# KiCad board Main.kicad_pcb (continued)
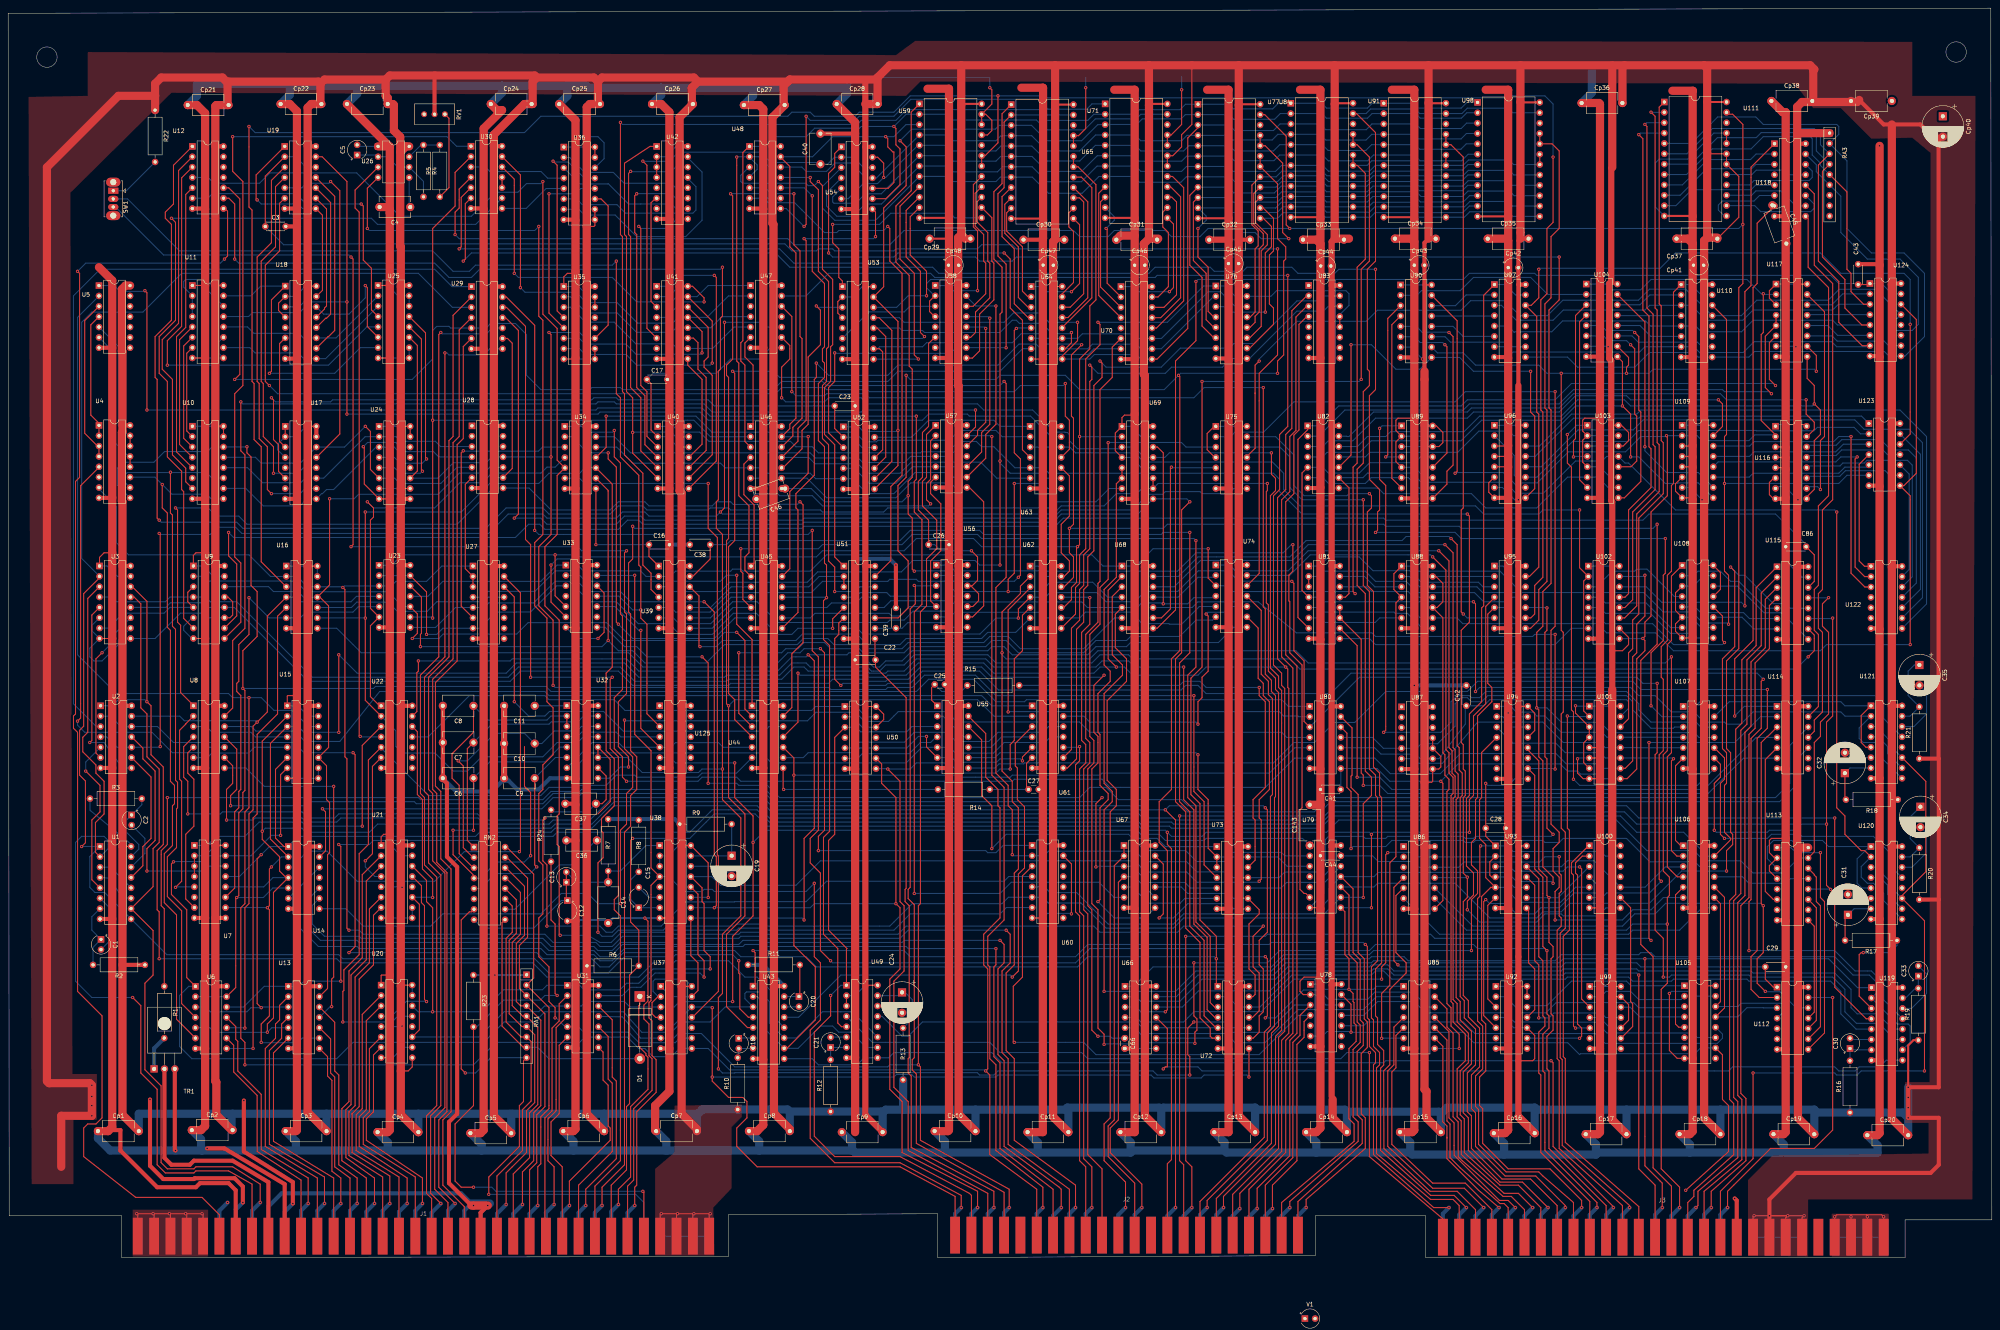
[diagram p0: board, top side]
## Routing (per net, layer and track width the routed paths; a pad name or vN(x,y) marks a point on that pad's centre or on a via; arc(x,y) is an arc through that point)
GNDPWR: length 7795.3
  Top w0.25: 435.5,196 435.34,196.16 U116.4 ; U109.5 412.61,193.84 412.7,193.75 ; U65.20 U65.21 262.24,274.99 264,276.75 v1(264,286.75) ; 253.5,83 253.25,83.25 U60.8 ; U103.5 385.75,194.97 385.75,200.34 U103.2 385.75,202.59 385.75,205.25 386.25,205.75 390,205.75 ; 390,117.25 389.87,117.38 U101.8 385.87,117.38 384.5,118.75 v1(384.5,122.25) ; U113.4 431.5,94.75 431.5,96.07 U113.2 432.8,97.95 431.5,99.25 431.5,102.25 432,102.75 435.5,102.75 ; U20.1 91.38,69.13 91.5,69.25 93.5,69.25 ; U109.4 412.57,196.38 412.7,196.25 ; U9.1 45.38,172.13 46,172.75 48.25,172.75 ; U25.1 93.47,238.28 93.5,238.25 ; v1(144.5,151.75) 146,153.25 146,162.91 U33.12 ; U109.6 408.5,189.67 408.5,187.85 U109.8 412.23,186.22 412.7,185.75 ; U96.5 367.41,193.84 367.5,193.75 ; 435.5,193.25 435.13,193.62 U116.5 ; U21.1 91.38,103.13 92,103.75 93.5,103.75 ; U3.1 22.38,171.63 23.5,172.75 25.5,172.75 ; U64.8 253.25,220.25 253.5,220 ; 412.7,199 412.62,198.92 U109.3 ; 321.5,68.75 317.5,68.75 316.5,67.75 316.5,65.25 317.3,64.45 U78.2 ; v1(156,83.22) 156.75,82.47 156.75,62.89 155.75,61.89 155.75,58.5 157,57.25 157,49.5 157.75,48.75 157.75,41 153.25,36.5 153.25,19 151.75,17.5 151.75,5.5 ; v1(39.5,10.75) 39.75,10.5 J1.3 ; J1.4 43.75,10.5 v1(43.5,10.75) ; U108.3 408.5,162.95 408.5,158.59 U108.6 408.5,155.33 408.5,153.51 U108.8 412.58,151.88 412.7,152 ; J3.27 v1(455.5,10) 455.5,10.25 455.25,10.5 ; U96.4 367.37,196.38 367.5,196.25 ; 344.5,205.5 344.25,205.75 340.5,205.75 340,205.25 340,202.71 U89.2 340,199.95 340,195.09 U89.5 ; U77.21 U77.20 307.97,272.53 312.25,268.25 312.25,251.25 v1(313.75,249.75) ; U9.8 48.25,151.75 ; 276,206.75 275.75,206.5 273.5,206.5 272.88,205.88 U69.1 271.25,202.12 271.25,197.76 U69.4 ; J3.25 v1(447.5,10) 448,10.5 451.5,10.5 ; 367.5,199 367.42,198.92 U96.3 ; 451.5,10.5 v1(451.5,10) J3.26 ; 451.5,10.5 455.25,10.5 ; 139,154.25 138.75,154.5 U33.7 ; J1.1 31.75,10.5 v1(31.5,10.75) v1(47.5,10.75) 47.75,10.5 J1.5 ; U11.8 48.25,220.5 ; U25.8 93.5,220.5 ; U101.6 389.96,122.46 390,122.5 ; 139,220.5 138.75,220.25 U35.8 ; 321.5,85.5 321.24,85.76 U79.7 ; v1(35.5,10.75) 35.75,10.5 J1.2 ; v1(87,198.75) 87.25,198.5 87.25,189.6 U24.8 93.47,185.97 93.5,186 ; 412.7,48.75 412.61,48.85 U105.8 408.9,48.85 407,50.75 v1(407,64.75) ; 435.5,198.5 435.3,198.7 U116.3 ; U11.1 48.22,238.28 48.25,238.25 ; 390,124.75 389.75,125 U101.5 ; 455.25,10.5 459,10.5 v1(459.5,10) J3.28 ; U116.8 432.5,186 431.5,187 431.5,190 433,191.5 ; 70.75,137.75 68.5,137.75 68.38,137.63 U15.1 ; 390,85.25 389.54,85.71 U100.7 ; v1(260.5,84.25) 260.5,96.49 U60.15 ; U35.1 136.13,240.38 137,241.25 138.5,241.25 139,241.75 ; U21.8 93.5,83.25 ; U35.15 U35.14 ; U59.23 241,282.75 241,286.25 v1(240.5,286.75) ; U59.23 U59.22 ; U59.23 239.5,280.25 241,278.75 241,276.25 239.92,275.17 U59.21 ; U35.10 U35.9 ; U20.8 93.5,49 ; U3.8 25.48,151.75 25.5,151.73 ; v1(287.5,286.25) 287.5,277.75 284.91,275.16 U71.21 U71.20 ; C26.2 230.5,176.25 ; 70.75,117.5 70.72,117.47 U15.8 ; U111.20 U111.21 ; U96.6 362.75,189.92 362.75,187.6 U96.8
  Top w0.5: U59.12 230.35,254.85 230.5,255 ; 321.5,254.75 321.24,255.01 U84.12 ; 344.5,254.5 343.99,255.01 U91.12 ; U38.8 161.97,83.22 162,83.25 ; Cp29.1 230.5,249.75 ; U98.12 367.46,255.21 367.5,255.25 ; 412.7,255.25 412.64,255.31 U111.12 ; U77.12 299,254.75 ; 253.55,254.25 253.13,254.67 U65.12 ; 276,254.75 275.91,254.84 U71.12
  Top w1: v1(41,26.25) 40.83,26.42 TR1.3 ; 412.7,220.75 412.67,220.72 U110.8 ; 207.5,119.75 207.41,119.84 U50.7 ; U4.8 25.46,186.21 25.5,186.25 ; U93.7 367.33,85.67 367.5,85.5 ; 139,254.25 138.83,254.42 U36.8 ; U119.8 458.37,48.38 458.5,48.25 ; U56.7 230.5,154.5 ; 367.5,117.25 367.4,117.34 U94.8 ; U58.8 230.25,220.5 230.5,220.25 ; 435.5,119.75 435.37,119.88 U114.7 ; U118.8 435.25,255.25 435.5,255 ; U57.7 230.24,188.76 230.5,188.5 ; C3.2 70.75,252.75 ; U43.8 184.75,48.75 185,48.5 ; U76.8 298.62,220.38 299,220 ; U82.7 321.38,188.63 321.5,188.75 ; 435.5,220.75 435.41,220.84 U117.8 ; U115.8 435.45,151.55 435.5,151.5 ; J1.22 115.75,11 v1(117.5,12.75) ; 207.5,188 207.12,188.38 U52.7 ; 299,51 298.75,51.25 U72.7 ; U80.7 321.37,119.88 321.5,119.75 ; 276,154.25 275.99,154.26 U68.7 ; U124.8 458.28,220.97 458.5,220.75 ; 367.5,186.25 367.47,186.22 U96.8 ; U86.7 344.49,85.51 344.5,85.5 ; U88.7 344.5,154.25 ; U85.7 344.5,51.25 ; U107.7 412.57,119.88 412.7,119.75 ; U12.7 48.12,257.13 48.25,257 ; U51.8 207.29,151.71 207.5,151.5 ; U61.7 253.5,120 ; U90.8 344.12,220.63 344.5,220.25 ; U99.7 389.96,51.21 390,51.25 ; U14.7 70.74,85.51 70.75,85.5 ; U67.7 275.75,85.75 276,85.5 ; U74.7 298.99,154.51 299,154.5 ; 458.5,83 458.47,82.97 U120.8 ; C37.2 138.75,111.25 139,111 ; U89.8 344.41,186.09 344.5,186 ; 185,154 184.75,154.25 U45.7 ; 93.5,120 93.49,120.01 U22.7 ; 207.5,256.75 207.24,257.01 U54.7 ; U83.8 321.5,220.5 ; C43.2 458.25,243.5 458.5,243.25 ; U92.7 367.5,51.25 ; U19.7 70.62,257.13 70.75,257 ; 162,120 161.99,120.01 U125.7 ; 162,188.5 161.99,188.51 U40.7 ; 24.5,31 24.75,31.25 27.5,31.25 27.5,26.25 36.5,17.25 46,17.25 47,18.25 54,18.25 55.75,16.5 J1.7 ; U7.8 48.25,83.25 ; U69.8 275.78,185.97 276,185.75 ; U28.7 116.38,188.63 116.5,188.75 ; U41.8 161.95,220.3 162,220.25 ; U122.7 458.29,154.21 458.5,154 ; U78.7 321.5,51.75 ; 185,223 184.99,223.01 U47.7 ; U2.7 25.49,120.01 25.5,120 ; U49.8 207.47,48.97 207.5,49 ; 367.5,154.25 367.49,154.26 U95.7 ; U116.8 435.25,186 435.5,186.25 ; 116.5,151.75 116.47,151.72 U27.8 ; U42.8 161.91,254.59 162,254.5 ; U30.7 116.33,257.17 116.5,257 ; U1.8 25.5,83 ; 25.5,223 25.49,223.01 U5.7 ; 230.5,119.75 230.25,120 U55.7 ; U113.8 435.29,82.71 435.5,82.5 ; U97.8 367.28,220.72 367.5,220.5 ; 299,188.5 298.99,188.51 U75.7 ; 458.5,117.5 458.47,117.47 U121.8 ; 139,117.25 138.75,117.5 U32.8 ; C39.2 v1(217.5,169.75) ; 70.75,220.25 70.66,220.34 U18.8 ; 162,51.25 161.99,51.26 U37.7 ; U104.8 389.91,220.84 390,220.75 ; U29.7 116.24,222.76 116.5,222.5 ; U102.8 389.96,151.71 390,151.75 ; 276,50.75 275.5,51.25 U66.7 ; 70.75,154.25 70.74,154.26 U16.7 ; U123.7 458.29,189.21 458.5,189 ; U17.8 70.72,185.97 70.75,186 ; 207.5,220 207.28,220.22 U53.8 ; U10.8 48.25,186 ; Cp30.1 253.25,249.5 253.5,249.75 ; C12.2 139,82.5 ; U13.7 70.74,51.26 70.75,51.25 ; U44.7 185,120 ; 48.25,120 48.24,120.01 U8.7 ; U103.8 389.53,186.22 390,185.75 ; C8.2 106.5,117.25 107.5,116.25 107.5,98.25 110,95.75 110,35.25 108,33.25 108,18.25 113.5,12.75 ; U70.8 275.97,220.22 276,220.25 ; 139,51.25 138.75,51.5 U31.7 ; U62.7 253.25,154.25 253.5,154 ; U39.7 161.99,154.26 162,154.25 ; 435.5,51 435.45,51.05 U112.7 ; J1.10 67.75,18 53,26.75 v1(48.75,26.75) ; C36.2 139,102.25 ; 253.5,188.25 253.24,188.51 U63.7 ; 181.5,257.13 184.87,257.13 185,257 ; U46.7 185,188.5 ; 321.5,151.5 321.28,151.72 U81.8 ; U34.7 139,188.5 ; U23.7 93.29,154.46 93.5,154.25 ; 412.7,85.75 412.66,85.71 U106.7 ; U73.7 299,85.5 ; U87.7 344.5,119.75 ; U6.7 48.25,51.25 ; C40.2 207.5,275.5
  Top w1.5: Cp32.1 299,249.5 ; 121.5,117.75 121.5,134.75
  Top w2: 321.5,247.25 321.5,111 ; 321.5,247.25 321.5,286.25 316.5,286.25 ; 321.5,247.25 321.5,248.5 320.5,249.5 Cp33.1 ; Cp3.1 70.5,31 70.75,31.25 70.75,281 69,282.75 Cp22.1 ; 367.5,246 367.5,249.25 367,249.75 Cp35.1 ; 367.5,246 367.5,286.25 362,286.25 ; 367.5,246 v1(367.5,133.5) 367.5,31.25 366.75,30.5 Cp16.1 ; 321.5,111 321.5,31.75 320.5,30.75 Cp14.1 ; 321.5,111 C143.2 ; Cp20.1 458,30 458.5,30.5 v1(458.5,272.5) ; 276,250.5 272.5,250.5 Cp31.1 ; 276,250.5 276,30.75 Cp12.1 ; 276,250.5 276,286.25 271,286.25 ; 339,286.25 344.5,286.25 344.5,246.75 ; Cp26.1 160,282.75 162,280.75 C16.2 162,40.75 158.5,37.25 158.5,31.25 Cp7.1 ; Cp27.1 184,282.5 185,281.5 185,32.5 183.5,31 Cp8.1 ; 22.25,242.75 25.5,239.5 25.5,32 24.5,31 Cp1.1 ; Cp38.1 434.75,280.75 435.5,280.75 435.5,30.75 435,30.25 Cp19.1 ; 293.75,286.25 299,286.25 299,30.75 Cp13.1 ; 248.25,286.75 253.5,286.75 253.55,286.7 253.55,249.8 253.5,249.75 253.5,30.75 Cp11.1 ; 113.5,12.75 v1(114,12.75) v1(117.5,12.75) ; 230.5,218.75 230.5,220.25 ; 230.5,218.75 230.5,286.5 225.25,286.5 ; 230.5,218.75 230.5,31.25 230.25,31 Cp10.1 ; Cp2.1 47.25,31.25 48.25,32.25 48.25,280.5 46.25,282.5 Cp21.1 ; 344.5,246.75 v1(344.5,140.25) 344.5,31.25 344,30.75 Cp15.1 ; 344.5,246.75 344.5,249 343.75,249.75 Cp34.1 ; 412.7,246.5 412.7,285.95 412.75,286 407.75,286 ; 412.7,246.5 412.7,248.55 411.5,249.75 Cp37.1 ; 412.7,246.5 412.7,30.95 412,30.25 Cp18.1 ; 207.5,30.75 207.5,278.25 Cp28.1 ; 93.5,256 93.5,272.25 ; 93.5,256 93.5,257 93,257.5 C4.2 ; 93.5,256 93.5,31.25 93,30.75 Cp4.1 ; 93.5,272.25 Cp23.1 ; 93.5,272.25 93.38,272.37 U26.1 ; Cp25.1 139,278.75 139,31.5 138.5,31 Cp6.1 ; Cp24.1 119.75,281.25 121,281.25 116.5,276.75 116.5,31.25 115.75,30.5 Cp5.1 ; Cp36.1 389.75,283 390,282.75 390,30.75 389.5,30.25 Cp17.1
  Bottom w0.25: U24.14 96.08,198.67 94.96,199.79 88.05,199.79 v1(87,198.75) ; U3.1 24.22,169.53 26.76,166.99 U3.15 ; v1(144.5,151.75) 139.38,151.75 U33.7 ; v1(287.5,286.25) 287.5,289.5 ; v1(31.5,10.75) 31.75,10.5 J1.1 ; U11.11 50.5,223.33 50.5,222.75 U11.9 U11.8 ; U89.11 347.08,191.17 344.54,193.71 U89.5 ; U69.4 275.12,196.13 277.66,193.59 U69.12 ; U36.14 146,269.37 146,273.25 144.5,274.75 v1(139,274.75) ; U69.15 277.54,201.21 275,203.75 U69.1 ; U9.6 45.08,156.83 43,154.75 43,153.75 45,151.75 U9.8 ; U101.6 384.71,122.46 v1(384.5,122.25) ; U9.15 50.26,166.99 47.72,169.53 U9.1 ; U111.12 403.5,257.57 403.5,268.25 404.5,269.25 411.5,269.25 417.88,275.63 U111.21 ; U78.12 322.84,61.91 320.3,64.45 U78.2 ; v1(264,286.75) 264,289.25 ; J3.25 J3.28 ; U15.15 73.54,132.71 71,135.25 U15.1 ; J1.2 35.75,10.5 v1(35.5,10.75) ; U79.7 322.5,89.38 322.5,91.92 U79.12 ; U3.10 27,151.29 27,150.25 23,146.25 21,146.25 20,147.25 20,149.37 U3.8 20.5,153.63 20.5,154.95 U3.6 ; U108.3 412.83,164.58 415.37,167.12 U108.15 ; v1(39.5,10.75) 39.75,10.5 J1.3 ; 205.5,286.75 208,289.25 240.5,289.25 v1(240.5,286.75) ; U94.15 368.42,132.59 v1(367.5,133.5) ; U25.8 U25.9 U25.10 ; U103.2 U103.15 ; U108.10 414.83,154.42 412.29,156.96 U108.6 ; v1(260.5,84.25) 260.38,84.38 254.62,84.38 253.5,83.25 U60.8 ; U115.15 439.46,166.79 435.5,170.75 C86.2 ; U11.14 47.67,238.28 U11.1 ; U21.15 96.26,98.49 93.72,101.03 U21.1 ; U21.10 U21.9 U21.8 ; v1(47.5,10.75) 47.75,10.5 J1.5 ; U103.11 392.45,191.3 389.91,193.84 U103.5 ; C5.2 85.88,272.37 U26.1 ; U89.2 U89.15 ; U15.10 U15.9 U15.8 ; 182.74,185.93 182.74,187.64 U46.7 ; U35.8 U35.9 ; U105.15 413.67,64.08 412.5,65.25 407.5,65.25 v1(407,64.75) ; U35.15 142.26,235.49 139.72,238.03 U35.1 ; v1(313.75,249.75) 307,249.75 305.5,251.25 302.25,251.25 300.5,249.5 Cp32.1 ; U20.10 96.79,51.54 94.25,49 U20.8 ; U25.14 U25.15 95.51,235.74 92.97,238.28 U25.1 ; J1.4 43.75,10.5 v1(43.5,10.75)
  Bottom w0.5: U38.8 v1(156,83.22) 148.22,83.22 C14.2 146.25,82.75 137,82.75
  Bottom w1: v1(207.5,170.25) 208.5,171.25 216,171.25 v1(217.5,169.75) ; J1.45 63.75,12.5 67,15.75 111,15.75 113.5,13.25 111.75,11.5 J1.57 ; U32.8 132.75,117.5 130,114.75 124.75,114.75 122.62,116.88 ; 122.62,116.88 121.12,116.88 118.5,114.25 109.75,114.25 C6.2 ; 122.62,116.88 121.75,117.75 ; 118,13.25 115.75,11 J1.22 ; C38.2 C16.2 ; v1(344.5,140.25) 357,140.25
  Bottom w2: 47.5,26.25 70.5,26.25 ; 47.5,26.25 v1(41,26.25) 25,26.25 22,29.25 Cp1.1 ; 47.5,26.25 47.25,26.5 47.25,29 Cp2.1 ; 70.5,26.25 93,26.25 ; 70.5,26.25 70.5,28.5 Cp3.1 ; Cp28.1 205.5,285.25 205.5,286.75 182.5,286.75 ; 93,26.25 116,26.25 ; 93,26.25 93,28.25 Cp4.1 ; 116,26.25 138.5,26.25 ; 116,26.25 116,27.75 Cp5.1 ; 366.5,25.25 344,25.25 343.5,25.75 ; 366.5,25.25 389,25.25 ; 366.5,25.25 366.5,28 Cp16.1 ; 182.5,286.75 160,286.75 ; 182.5,286.75 182.5,284.75 Cp27.1 ; 160,286.75 160,285 Cp26.1 ; 160,286.75 142,286.75 141.5,287.25 ; 141.5,287.25 121,287.25 ; 141.5,287.25 137,287.25 137,284.75 Cp25.1 ; 184,26.25 161.5,26.25 161.25,26.5 ; 184,26.25 184,28.5 Cp8.1 ; 184,26.25 206.5,26.25 206.75,26.5 ; 229.5,25.75 252,25.75 252.25,26 ; 229.5,25.75 207.5,25.75 206.75,26.5 ; 229.5,25.75 229.5,28.5 Cp10.1 ; 252.25,26 252.25,28.25 Cp11.1 ; 252.25,26 252.5,25.75 275,25.75 ; 298,26.25 298,28.25 Cp13.1 ; 298,26.25 298.5,25.75 320.5,25.75 ; 298,26.25 275.5,26.25 275,25.75 ; 121,287.25 85.5,287.25 ; 121,287.25 121,285.5 Cp24.1 ; 275,25.75 275,28.25 Cp12.1 ; 85.5,287.25 85.5,285.25 Cp23.1 ; 85.5,287.25 69,287.25 ; 138.5,26.25 138.5,28.5 Cp6.1 ; 138.5,26.25 161,26.25 161.25,26.5 ; Cp19.1 435,27.75 435,26.25 ; 320.5,25.75 343.5,25.75 ; 320.5,25.75 320.5,28.25 Cp14.1 ; 412,25.75 412,27.75 Cp18.1 ; 412,25.75 389.5,25.75 389,25.25 ; 412,25.75 434.5,25.75 435,26.25 ; 161.25,26.5 161.25,28.5 Cp7.1 ; 206.75,26.5 206.75,28.25 Cp9.1 ; 389,25.25 389,27.75 Cp17.1 ; Cp36.1 388,285.5 388,290.75 ; 435,26.25 435.5,25.75 458,25.75 458,27.5 Cp20.1 ; 69,287.25 68.5,287.75 46.5,287.75 46.25,287.5 46.25,284.75 Cp21.1 ; 69,287.25 69,285 Cp22.1 ; 343.5,25.75 343.5,28.25 Cp15.1 ; 113.5,13.25 118,13.25
VCC: length 8189.6
  Top w0.25: v1(454.5,74.75) 454,74.75 453.5,74.25 453.5,64.08 U119.3 ; U101.16 393.09,135.16 393,135.25 ; U104.16 392.38,238.62 392.25,238.75 ; J1.35 167.75,10.5 v1(168,10.75) ; J3.23 439.5,9.75 v1(440,10.25) v1(431.5,10.25) ; U117.3 431.5,235.17 431.5,236.99 U117.1 ; 438.3,238.5 438.42,238.62 U117.16 ; J3.22 435.5,9.75 v1(436,10.25) v1(431.5,10.25) ; 227,235.71 225.75,234.46 225.75,231.88 227,230.63 ; U11.16 50.78,238.28 50.75,238.25 ; 73.37,238 73.49,238.12 U18.16 ; 210,66.5 210.25,66.75 U49.16 ; 96.2,203.75 U24.16 U24.15 ; U37.2 159.21,63.96 157.75,62.5 157.75,59.75 158.62,58.88 U37.4 ; 370,66.25 370.24,66.49 U92.14 U92.13 ; v1(164,10.75) 163.75,10.5 J1.34 ; U53.2 203.25,234.33 203.25,231.5 U53.4 ; 96.2,188.5 96.21,188.51 U24.10 ; 295.63,203.75 295.5,203.75 293.75,202 293.75,198.01 295.63,196.13 ; J1.33 159.75,10.5 v1(160,10.75) v1(172,10.75) 171.75,10.5 J1.36 ; 210,237.75 210.25,238 U53.16 ; 438.3,204.25 438.35,204.2 440.62,204.2 ; U71.18 U71.19 285.33,270.08 287.5,272.25 287.5,275.25 290,277.75 290,292.25 ; 96.2,66.5 96.48,66.78 U20.16 ; 416.25,270.75 416.45,270.55 U111.19 U111.18 424,265.01 424,255 Cp37.2 ; 415.5,203.75 415.75,204 U109.16 ; U96.16 370,204 ; v1(170.5,234.25) 170.5,235.25 167.67,238.08 U41.16 164.58,238.08 164.5,238 ; 392.75,204 U103.16 395.25,204 397,202.25 397,200.25 395.67,198.92 U103.14 ; U108.13 419.5,163.79 419.5,167.91 U108.16 415.59,169.66 415.5,169.75 ; U93.14 370.16,100.91 370,100.75 ; 256,238 256.03,238.03 U64.16 ; 141.75,252.75 143.5,252.75 143.75,253 U36.9 U36.10 ; U75.14 301.5,203.75 ; U7.16 50.78,101.03 50.75,101 ; 393,63.75 393.16,63.91 U99.13 397,62.03 397,58.17 U99.10 ; U18.2 66.25,233.95 66.25,232.13 U18.4 ; U105.16 415.62,66.62 415.5,66.5 ; U89.14 350.54,198.79 351.5,199.75 351.5,202.25 349.88,203.87 U89.16 347.13,203.87 347,204 ; v1(384,135.25) 384,133.46 U101.3 U101.4 386,126.16 386,121.3 U101.7 ; 347,116.5 348.75,116.5 349,116.75 U87.8 350.5,119.75 351,120.25 351,122.83 U87.10 U87.11 ; v1(431.5,10.25) v1(427.75,10.25) 427.5,10 J3.20 ; U37.14 165,66.5 ; U17.16 73.37,203.75 ; U90.16 347.09,238.41 347,238.5 ; U102.16 393.01,169.49 393,169.5 ; 165,101 U38.16 171.5,96.75 v1(171.5,88.25) ; 50.75,203.75 50.78,203.78 U10.16 U10.15 ; U7.4 U7.2 ; U42.4 U42.2 ; 393,66.5 393.05,66.45 U99.14 ; 393,148.75 395.5,148.75 397,150.25 397,152 U102.10 ; U92.10 374,54.45 374,48.75 373.5,48.25 370,48.25 ; 393,101 393.05,100.95 U100.14 ; U1.16 28.03,100.78 28,100.75 ; v1(346.5,220.25) 347,219.75 347,217.25 ; 370,135 370.12,135.12 U94.16 374,133.44 374,129.19 U94.13 ; U49.2 U49.3 ; U36.15 U36.16 141.8,272.2 141.75,272.25 ; U16.14 73.37,169.5 ; 210,134.75 210.33,135.08 U50.14 214.5,133.2 214.5,131.88 U50.12 ; 96.2,45.75 98,45.75 99,46.75 U20.9 ; U17.2 U17.1
  Top w0.5: v1(465.5,41.75) 465.5,52 466.8,53.3 R19.1 ; U111.24 416.25,283.25 ; 301.5,282.5 301.69,282.69 U77.24 ; 279.5,282.5 279.78,282.78 U71.24 ; 256.5,282.5 256.61,282.61 U65.24 ; U98.24 370.6,283.15 370.5,283.25 ; U84.24 325.2,282.95 325,282.75 ; 233.5,282.5 233.79,282.79 U59.24 ; U91.24 348.05,282.95 348,283 ; U48.14 187.38,272.37 187.25,272.5
  Top w1: U42.16 164.62,272.37 164.5,272.25 ; U73.14 301.51,100.74 301.5,100.75 ; 472.95,122.3 472.95,273.7 Cp40.2 471.5,274.75 468.5,277.75 459.5,277.75 453.5,283.75 ; 472.95,122.3 473,122.25 473,87.75 ; 472.95,122.3 R21.1 ; U30.14 119.09,272.41 119,272.5 ; U14.14 73.37,100.75 ; 324.25,238.25 324.28,238.28 U83.16 ; 141.75,169.5 141.99,169.74 U33.14 ; 141.75,66.5 141.99,66.74 U31.14 ; U43.16 187.65,66.53 187.62,66.5 ; 96.2,101 96.23,101.03 U21.16 ; 415.5,101 415.55,100.95 U106.14 ; 210,169.5 210.01,169.49 U51.16 ; U74.14 301.5,169.75 ; U44.14 187.86,135.24 187.62,135 ; U107.14 415.62,135.12 415.5,135 ; 73.37,272.5 73.5,272.37 U19.14 ; U39.14 165,169.5 ; U57.14 232.87,204 ; 347,217.25 347,248.75 348,249.75 Cp34.2 ; 96.2,238 96.48,238.28 U25.16 ; 370,238.5 370,213.75 ; 370,238.5 370,249.25 370.5,249.75 372.75,249.75 ; 370,238.5 U97.16 ; 232.87,169.5 233.11,169.74 U56.14 ; U17.15 U17.16 ; U119.16 461.59,66.16 461.5,66.25 ; U78.14 324.49,66.99 324.25,66.75 ; 278.5,100.75 278.74,100.99 U67.14 ; 473,87.75 R20.2 ; 473,87.75 473,41.75 v1(465.5,41.75) v1(465.5,34.25) 473,34.25 473,22.75 471,20.75 438,20.75 431.5,14.25 J3.21 ; 324.25,135 324.37,135.12 U80.14 ; 438.3,169.25 438.38,169.33 U115.16 ; U40.14 164.5,203.75 ; v1(34.75,38.75) 34.75,22.5 38,19.25 45.5,19.25 45.7,19.45 55.47,19.45 57.5,17.42 v1(57.5,13.5) ; 119,203.75 119.12,203.87 U28.14 ; U7.9 50.75,83.25 ; Cp30.2 256.5,249.5 ; 232.87,134.75 233.36,135.24 U55.14 ; U32.16 142.03,135.28 141.75,135 ; 324.25,204 324.38,203.87 U82.14 ; U45.14 188.11,169.49 187.62,169 ; 28,204 28.01,203.99 U4.16 ; 256,101 256.03,101.03 U60.16 ; U61.14 256.24,135.24 256,135 ; U47.14 187.5,238.25 ; U81.16 324.25,169.5 ; U110.16 415.75,238.5 415.5,238.25 ; U79.14 324.5,101 324.25,100.75 ; 210,203.75 210.13,203.62 U52.14 ; U112.14 438.79,66.29 438.5,66 ; U68.14 278.75,169.5 278.5,169.25 ; U70.16 278.25,238 ; U9.16 50.78,169.53 50.75,169.5 ; 96.2,186 96.23,185.97 U24.9 ; Cp32.2 301.5,249.5 ; U34.14 141.76,203.74 141.75,203.75 ; U2.14 28,135.25 ; U15.16 73.37,135.25 ; R2.1 28,71.75 ; 347,169.5 347.01,169.49 U88.14 ; U12.14 50.88,272.37 50.75,272.5 ; U85.14 347.01,66.49 347,66.5 ; 256,169.25 256.24,169.49 U62.14 ; U121.16 461.5,135.25 ; 278.5,66.25 278.74,66.49 U66.14 ; U29.14 119,238 ; U54.14 210,272.25 ; U118.16 438.58,273.03 438.3,272.75 ; U6.14 50.76,66.49 50.75,66.5 ; U22.14 96.2,135.25 ; RV1.2 104.46,289.71 104.5,289.75 ; U76.16 301.84,238.16 301.5,238.5 ; U114.14 438.42,135.12 438.3,135 ; U86.14 347.25,100.75 347,100.5 ; U124.16 461.75,238.75 461.5,238.5 ; 187.5,203.75 187.51,203.74 U46.14 ; v1(57.75,38.5) 57.75,26 69.75,18.5 v1(69.75,13.25) ; U23.14 96.4,169.7 96.2,169.5 ; U58.16 232.78,238.28 232.75,238.25 ; U8.14 50.75,135.25 ; 301.5,66 301.99,66.49 U72.14 ; U35.16 141.78,238.03 141.75,238 ; U95.14 370,169.5 ; U63.14 256,203.75 ; U69.16 278.5,203.75 ; U27.16 119,169.5 ; 347,135 347.01,134.99 U87.14 ; 28,169.5 28.03,169.53 U3.16 ; U120.16 461.5,100.75 ; U13.14 73.37,66.5 ; 461.5,169.25 461.7,169.45 U122.14 ; U125.14 165,135.25 ; 461.5,204.25 461.7,204.45 U123.14
  Top w1.5: 324.25,39.5 324.25,249 325,249.75 ; 393,139.25 393,185.25 392.75,185.5 392.75,219.87 392.25,220.37 392.25,238.75 392.75,239.25 392.75,267 393,267.25 ; 210,288.75 210,35 Cp9.2 ; 370,213.75 v1(370,185.75) 370,34.5
  Top w2: RA3.1 438.67,275.62 438.3,275.25 ; 54.75,31.25 51,35 51,43 50.75,43.25 50.75,282.25 51,282.5 53.75,282.5 53.75,288 ; Cp20.2 461.5,34 461.5,277.75 ; R22.1 36,284.75 ; 36,284.75 27,284.75 9.5,267.25 9.5,43.25 10,42.75 20,42.75 v1(20.5,42.25) v1(20.5,34.75) 13,34.75 13,22.25 ; 36,284.75 36,287.75 37.5,289.25 52.5,289.25 53.75,288 ; 348,292.25 348,249.75 ; 348,292.25 325,292.25 ; 348,292.25 370.5,292.25 ; 168.75,31.5 165,35.25 165,187.43 164.5,187.93 164.5,279.5 Cp26.2 ; 96.05,270.97 96.05,247.9 96.2,247.75 96.2,35.05 Cp4.2 ; 96.05,270.97 97.45,272.37 U26.8 ; 96.05,270.97 96.05,274.7 94.5,276.25 94.5,282.5 94.25,282.75 Cp23.2 93,284.25 92.5,284.75 92.5,288.75 ; 53.75,288 54,288.25 76,288.25 76.5,287.75 ; 325,292.25 325,249.75 328.5,249.75 ; 325,292.25 301.5,292.25 ; 370.5,249.75 370.5,292.25 ; Cp36.2 395.5,291.75 396,292.25 ; 169,288.25 168,289.25 145.5,289.25 144.5,288.25 ; 169,288.25 167.5,286.75 167.5,282.75 ; 169,288.25 191,288.25 191.5,288.75 ; 191.5,288.75 190,287.25 190,282.75 ; 191.5,288.75 212.5,288.75 213,289.25 ; 324.5,38.75 324.5,34.25 Cp14.2 ; 396,292.25 370.5,292.25 ; 396,292.25 415.5,292.25 ; 279.5,249.75 279.5,292.25 ; 279.5,249.75 281.75,249.75 ; 279.5,249.75 278.25,248.5 278.25,216.5 278.5,216.25 278.5,34.75 Cp12.2 ; Cp16.2 370,34.5 ; U5.14 28.75,238.25 27.87,237.37 27.87,222.19 28,222.06 28,202.4 27.87,202.27 27.87,185.39 28,185.26 28,35 Cp1.2 ; 393,139.25 393,33.75 Cp17.2 ; 213,289.25 216,292.25 233.5,292.25 ; 213,289.25 Cp28.2 210,282.75 ; 438.76,100.49 438.5,100.23 438.5,34.25 Cp19.2 ; 438.76,100.49 438.3,100.95 438.3,275.25 ; 438.76,100.49 U113.16 ; 438.3,275.25 438.3,282.05 439.5,283.25 442.25,283.25 ; 453.5,283.75 453,283.25 442.25,283.25 ; 129.5,289.25 129,289.75 93.5,289.75 92.5,288.75 ; 129.5,289.25 143.5,289.25 144.5,288.25 ; 129.5,289.25 128.5,288.25 128.5,282.75 126.5,282.75 119,275.25 119,34.75 Cp5.2 ; 279.5,292.25 256.5,292.25 ; 279.5,292.25 301.5,292.25 ; 256.5,292.25 233.5,292.25 ; 256.5,292.25 256.5,249.5 256,249 256,34.5 Cp11.2 ; 233.5,250.75 232.75,250 232.75,213.74 232.87,213.62 232.87,35.13 Cp10.2 ; 233.5,250.75 234.5,249.75 ; 233.5,250.75 233.5,292.25 ; 76.5,287.75 76.5,282.75 74.25,282.75 73.37,281.87 73.37,35.63 Cp3.2 ; 76.5,287.75 77.5,288.75 92.5,288.75 ; Cp27.2 187.25,279.5 187.25,253.5 187.5,253.25 187.5,170.44 187.62,170.32 187.62,35.38 191.5,31.5 ; 301.5,292.25 301.5,34.75 Cp13.2 ; 144.5,288.25 144.5,282.75 142.5,282.75 141.75,282 141.75,35.25 Cp6.2 ; Cp18.2 415.5,34.25 415.5,249.25 416.25,250 ; 393,267.25 393,292.25 ; 347,217.25 347,41.25 347.5,40.75 347.5,34.25 Cp15.2 ; 415.5,292.25 441.5,292.25 442.5,291.25 442.25,291 442.25,283.25 ; 415.5,292.25 416.25,291.5 416.25,250 ; 416.25,250 418.75,250
  Bottom w0.25: U96.7 366.09,188.76 369.1,185.75 v1(370,185.75) ; J3.22 435.5,9.75 v1(436,10.25) ; 158.63,269.83 161.08,269.83 163.62,272.37 166.25,272.37 ; U38.16 164.25,101 161.71,98.46 U38.2 U38.3 ; U18.2 70.33,235.58 72.87,238.12 U18.16 ; U99.4 389.92,58.83 392.46,56.29 U99.10 ; v1(160,10.75) 159.75,10.5 J1.33 J1.36 171.75,10.5 v1(172,10.75) ; U1.16 30.12,101.33 20.23,109.5 20.05,109.68 R3.1 ; U53.2 206.71,235.46 209.25,238 U53.16 ; U17.4 66,198.01 66,199.33 U17.2 70.46,201.21 73,203.75 U17.16 ; v1(454.5,74.75) 461,74.75 462.75,76.5 R17.1 ; v1(164,10.75) 163.75,10.5 J1.34 ; v1(392,223.25) 391.87,223.38 U104.7 ; 234.62,238.25 231.5,238.25 230,239.75 226,239.75 225,238.75 225,237.71 227,235.71 ; v1(170.5,234.25) 165,234.25 161.21,230.46 U41.4 ; U41.16 164.33,238.08 161.79,235.54 U41.2 ; U11.4 U11.2 43,237.87 43,239.25 43.5,239.75 48.5,239.75 49.97,238.28 U11.16 ; U10.1 U10.16 ; v1(96.5,90.75) 96.38,90.87 U21.5 ; v1(438.5,185.75) 435.29,188.96 433,188.96 ; U96.1 U96.16 ; J3.21 v1(431.5,10.25) ; v1(384,135.25) 384.09,135.16 U101.1 U101.16 ; U36.1 U36.16 ; U99.14 U99.1 ; U16.13 U16.14 U16.1 ; U37.14 165.75,68.25 158.5,68.25 158,67.75 158,65.25 159.29,63.96 U37.2 ; v1(415,185.75) 411.99,188.76 U109.7 ; U50.2 206.71,132.54 209.25,130 U50.12 ; U20.15 U20.16 ; U38.11 171.45,88.3 v1(171.5,88.25) ; U92.10 368.92,56.33 366.38,58.87 U92.4 ; 433,204.2 440.62,204.2 ; U103.3 U103.14 ; U109.1 U109.16 ; U113.16 438.76,100.49 437,102.25 432.5,102.25 431,100.75 431,97.79 U113.3 ; U117.1 U117.16 ; U20.5 96.37,56.62 v1(96.5,56.75) ; J1.35 167.75,10.5 v1(168,10.75) ; U7.16 50.78,101.03 48.24,98.49 U7.2 ; U49.2 207.46,64.21 210,66.75 U49.16 ; U24.1 U24.16 ; U90.7 343.58,223.17 v1(346.5,220.25) ; U89.3 U89.14 ; U92.14 U92.1 ; U104.1 U104.16 ; U90.1 U90.16 ; U117.7 437.87,223.38 v1(438,223.25) ; U75.14 U75.1 ; U24.7 U24.10 ; U102.1 U102.16 ; 439.5,9.75 v1(440,10.25) v1(427.75,10.25) 427.5,10 J3.20 J3.23 439.5,9.75
  Bottom w0.5: R23.1 v1(119.25,69.25) 126.93,69.25 RA1.1
  Bottom w1: v1(69.75,13.25) 67.75,11.25 J1.46 ; 147,107.5 163.3,107.5 R9.1 ; v1(57.5,13.5) 55.75,11.75 J1.43 ; R11.1 184.9,71.75 U43.16
  Bottom w2: Cp15.2 351,35.25 ; 351,35.25 352.5,36.75 374,36.75 ; 351,35.25 350.5,35.75 328,35.75 ; 191.5,35.75 190.95,36.3 R10.1 170.05,36.3 168.75,35 ; 191.5,35.75 191.5,31.5 ; 191.5,35.75 191.55,35.8 R12.1 213.95,35.8 214.25,35.5 ; 54.75,31.25 54.75,35 55,35.25 ; R13.1 219.25,36.5 219.5,36.25 ; 237,36.25 259,36.25 259.5,36.75 ; 237,36.25 219.5,36.25 ; 237,36.25 Cp10.2 ; 374,36.75 374.5,36.25 396.5,36.25 ; 374,36.75 Cp16.2 ; 168.75,35 168.5,35.25 146,35.25 ; 168.75,35 168.75,31.5 ; Cp13.2 305.5,36.75 ; 305.5,36.75 283,36.75 282.5,36.25 ; 305.5,36.75 306,36.25 327.5,36.25 328,35.75 ; 259.5,36.75 282,36.75 282.5,36.25 ; 259.5,36.75 259.75,36.5 Cp11.2 ; Cp20.2 v1(465.5,41.75) ; 442.5,36.25 443.2,35.55 R16.1 464.2,35.55 v1(465.5,34.25) ; 442.5,36.25 Cp19.2 ; 442.5,36.25 419.5,36.25 ; 282.5,36.25 Cp12.2 ; Cp4.2 100.5,35.25 ; 100.5,35.25 123,35.25 123.25,35 ; 100.5,35.25 78,35.25 ; 214.25,35.5 215,36.25 219.5,36.25 ; 214.25,35.5 Cp9.2 ; 419.5,36.25 396.5,36.25 ; 419.5,36.25 Cp18.2 ; 396.5,36.25 Cp17.2 ; 328,35.75 Cp14.2 ; 55,35.25 32,35.25 Cp1.2 ; 55,35.25 78,35.25 ; 146,35.25 Cp6.2 ; 146,35.25 123.5,35.25 123.25,35 ; 78,35.25 Cp3.2 ; Cp5.2 123.25,35